# Altium PCB 打样.PcbDoc
Units mil, origin at the board's own origin, x right, y up, seen from the top; angles counter-clockwise.
Board outline 1855.3 x 2800.16 mil, 2 copper layers (Top Layer, Bottom Layer); 79 components, 87 nets, 347 pads, 166 vias.
Unrouted connection lines stored in the file: 5.
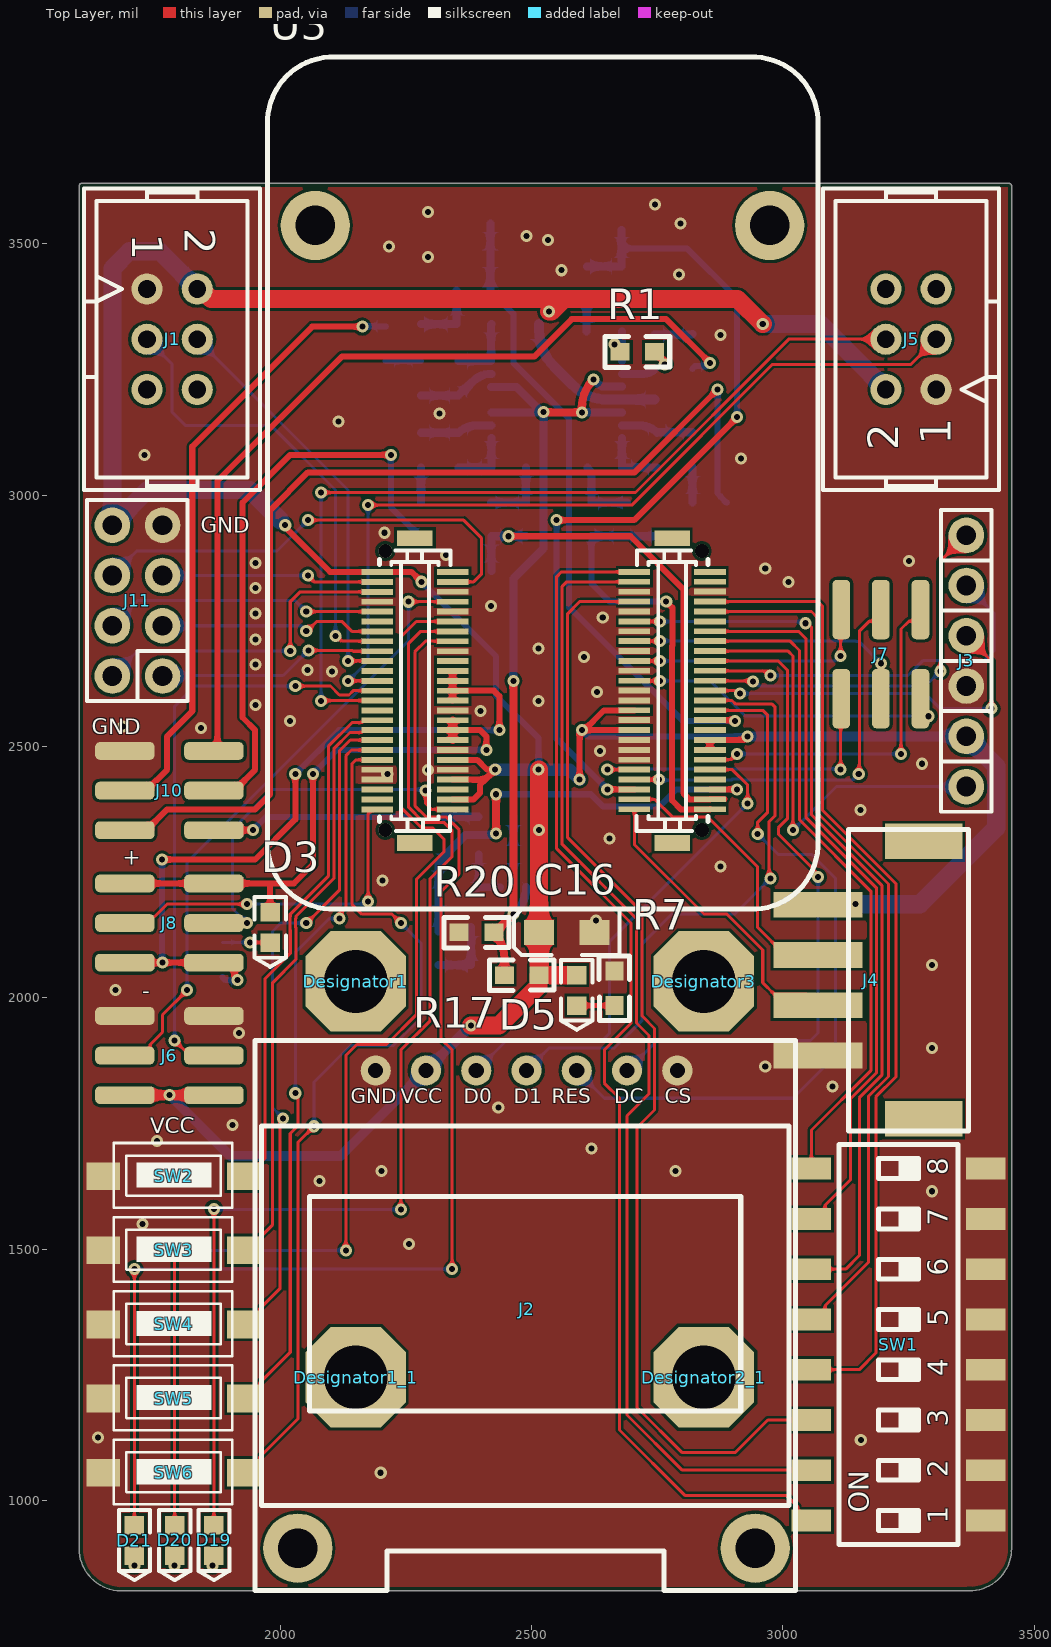
[diagram p0: Top Layer view]
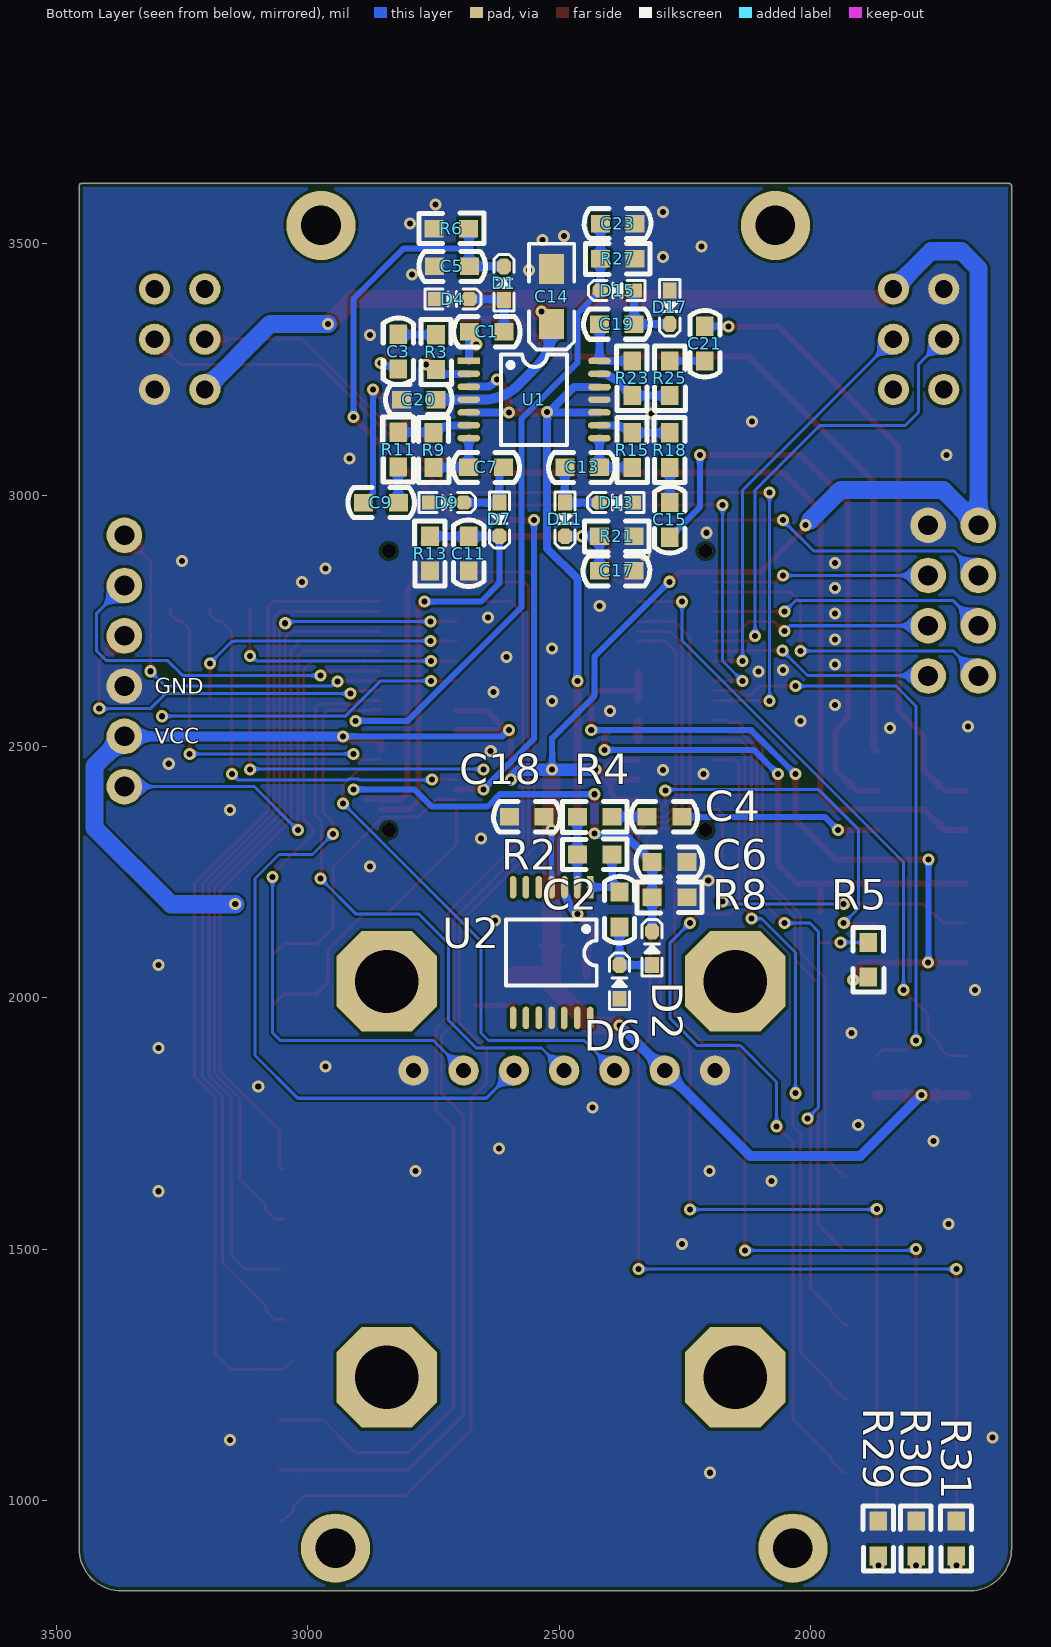
[diagram p1: Bottom Layer view, seen from below]
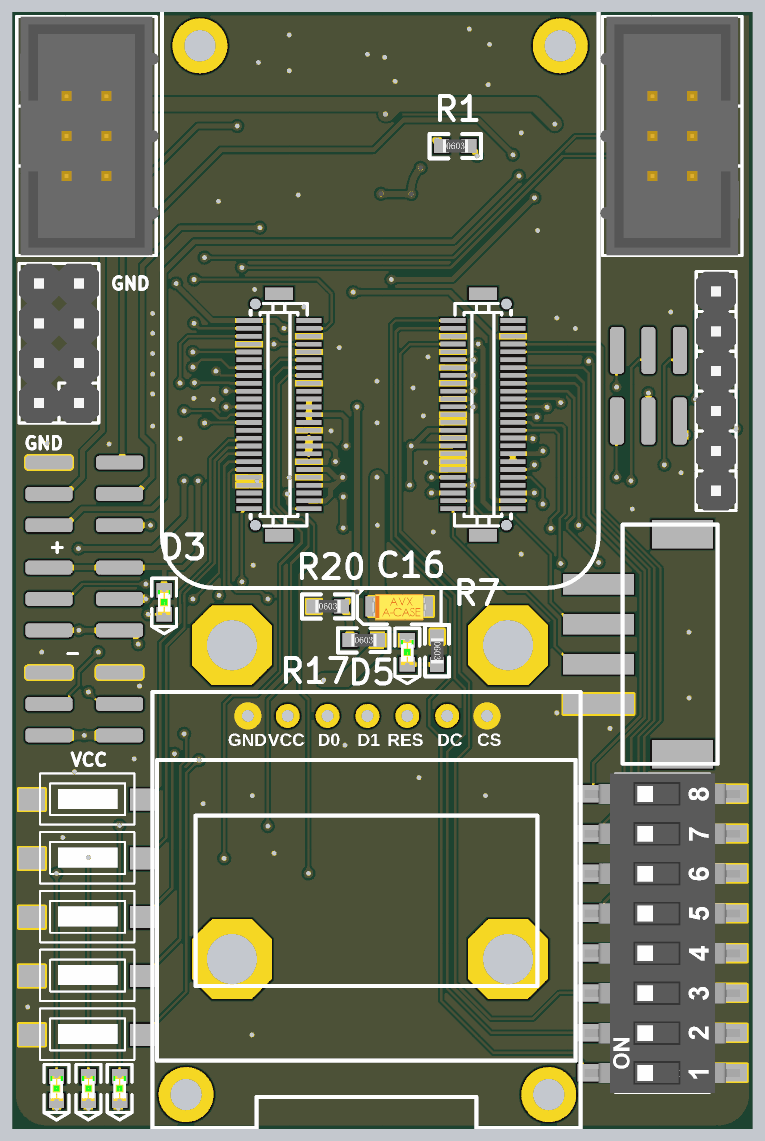
[diagram p2: 3D render of the assembled board from above, using the file's embedded part models]
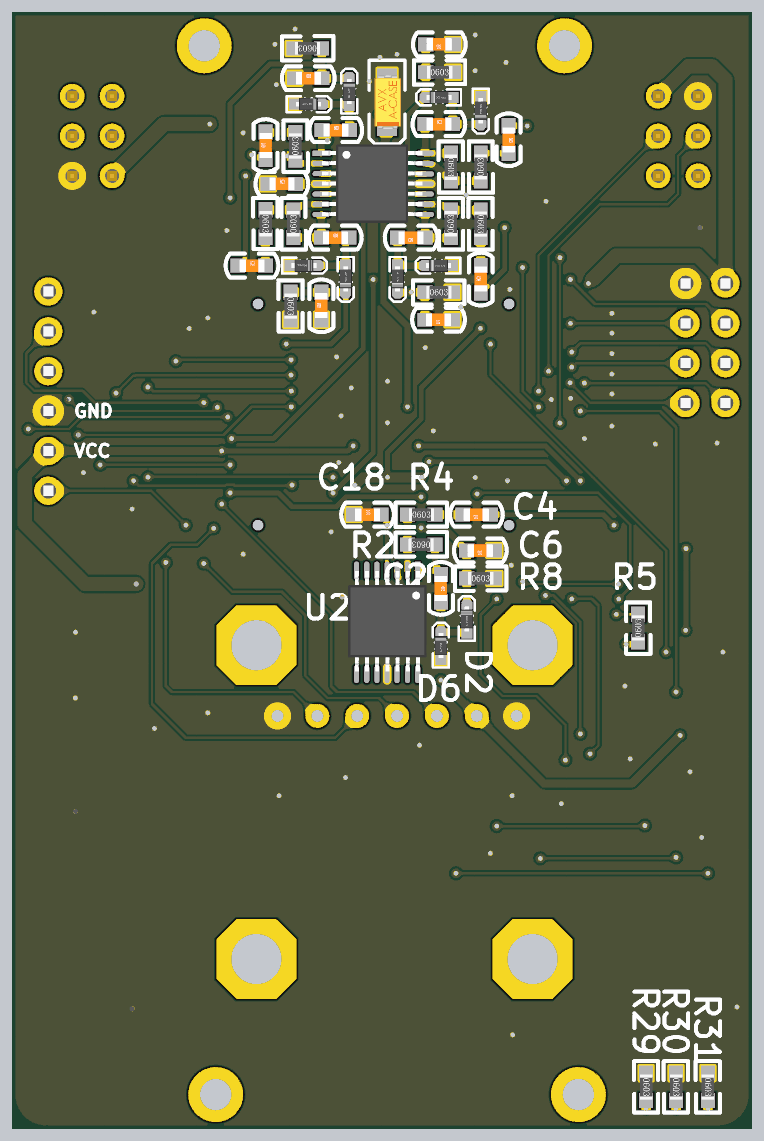
[diagram p3: 3D render of the assembled board from below, using the file's embedded part models]

## Layer stack, top to bottom
Top Solder: solder mask 0.4, Solder Resist, Dk 3.5
Top Layer: signal copper 1.4
Dielectric 1: dielectric 12.6, FR-4, Dk 4.8
Bottom Layer: signal copper 1.4
Bottom Solder: solder mask 0.4, Solder Resist, Dk 3.5

## Board outline
1599.85,904.61 cw(c1604.87,904.61) 1599.98,905.75 1599.98,3615 cw(c1605,3615) 1605,3620.01 3450,3620.02 cw(c3450,3615) 3455.01,3615 3455.01,909.36 cw(c3370.39,904.61) 3455.15,904.61 cw(c3370.39,904.61) 3370.39,819.85 cw(c3370.39,824.87) 3367.96,820.48 cw(c3365.79,825) 3365.79,819.98 1735,819.98 cw(c1735,825) 1734.97,819.99 1689.36,819.99 cw(c1684.61,904.61)
board region "Layer Stack Region 1": 1599.87,905.04 1599.98,905.75 1599.98,3615 1599.98,3616 1600.75,3617.84 1602.16,3619.25 1604,3620.02 1605,3620.02 3450,3620.02 3451,3620.02 3452.84,3619.25 3454.25,3617.84 3455.02,3616 3455.02,3615 3455.02,909.36 3455.05,908.77 3455.1,907.58 3455.13,906.39 3455.15,905.2 3455.15,904.61 3455.15,896.26 3451.89,879.88 3445.5,864.46 3436.23,850.58 3424.42,838.77 3410.54,829.5 3395.12,823.11 3378.74,819.85 3370.08,819.85 3369.45,819.93 3368.83,820.09 3368.24,820.33 3367.71,820.36 3367.18,820.17 3366.63,820.05 3365.79,819.98 1734.97,819.98 1689.36,819.98 1680.72,819.5 1663.62,822.04 1647.37,827.98 1632.66,837.08 1620.1,848.96 1610.19,863.13 1603.34,879.02 1599.85,895.96
board region "Cavity : U3": 2819.17,2859.03 2740.43,2859.03 2740.43,2362.97 2819.17,2362.97
board region "Cavity : U3": 2228.61,2362.97 2307.35,2362.97 2307.35,2859.03 2228.61,2859.03

## Design rules (kind name [scope] priority, off if disabled: settings)
BoardOutlineClearance [All] p1: gap=7.87 ignorepadtopadclearanceinfootprint=FALSE
Clearance [All] p1: gap=5 ignorepadtopadclearanceinfootprint=TRUE except(0: Arc-Text Arc-Hole Track-Text Track-Hole SMDPad-Hole THPad-Hole Via-Hole Fill-Text Fill-Hole Poly-Text Poly-Hole Region-Text Region-Hole Text-Text; 3.5: SMDPad-Text THPad-Text Via-Text Text-Hole; 5.91: Via-Fill Via-Poly Via-Region; 5.98: Arc-Via Track-Via SMDPad-Fill SMDPad-Poly SMDPad-Region THPad-Fill THPad-Poly THPad-Region; 6: Arc-SMDPad Arc-THPad Track-SMDPad Track-THPad; 10: SMDPad-SMDPad SMDPad-THPad SMDPad-Via THPad-THPad THPad-Via Via-Via)
ComponentClearance [All] p1: gap=10 collisioncheckmode=3 verticalgap=10 showdistances=TRUE
DiffPairsRouting [All] p1: maxlimit=10 minlimit=6 mostfreqgap=10 toplayer_minwidth=5.98 toplayer_maxwidth=15 toplayer_prefwidth=15 bottomlayer_minwidth=5.98 bottomlayer_maxwidth=15 bottomlayer_prefwidth=15 maxuncoupledlength=500
HoleSize [All] p1: absolutevalues=TRUE maxlimit=23.62 minlimit=11.81 maxpercent=80.000 minpercent=20.000
MinimumSolderMaskSliver [All] p1: minsoldermaskwidth=1.97
PlaneConnect [All] p1: planeconnectstyle=Direct reliefexpansion=20 reliefentries=4 reliefconductorwidth=10 reliefairgap=10
PolygonConnect [All] p1: connectstyle=Direct reliefconductorwidth=10 reliefentries=4 polygonreliefangle="90 Angle" airgapwidth=10
RoutingVias [All] p1: holewidth=15.75 width=27.56 viastyle="Through Hole" minholewidth=11.81 minwidth=23.62 maxholewidth=248.03 maxwidth=275.59
SilkToSilkClearance [All] p1: silktosilkclearance=5
SilkToSolderMaskClearance [IsPad] p1: minsilkscreentomaskgap=3.5 clearancetoexposedcopper=FALSE
SolderMaskExpansion [All] p1: expansion=4 istentingtop=FALSE
UnRoutedNet [All] p1: checkbadconnections=TRUE
Width [All] p1: maxlimit=80 minlimit=5 preferedwidth=10
22 further rules are at their usual default settings.

## Classes and differential pairs
component class 原理图: C1 C2 C3 C4 C5 C6 C7 C9 C11 C13 C14 C15 C16 C17 C18 C19 C20 C21 C23 D1 D2 D3 D4 D5 D6 D7 D9 D11 D13 D15 D17 D19 D20 D21 J1 J2 J3 J4 J5 J6 J7 J8 J10 J11 R1 R2 R3 R4 R5 R6 R7 R8 R9 R11 R13 R15 R17 R18 R20 R21 R23 R25 R27 R29 R30 R31 SW1 SW2 SW3 SW4 SW5 SW6 U1 U2 U3

## Components (designator, comment, footprint, x,y, rotation, side; value= is the part's Value field where it differs from the comment)
C1 "104" C0603 2678.75,3325 r180 bottom value=22pF
C2 "104" C0603 2380,2210 r270 bottom value=22pF
C3 "104" C0603 2820,3251 r90 bottom value=22pF
C4 "104" C0603 2256,2360 r0 bottom value=22pF
C5 "104" C0603 2747.75,3455 r180 bottom value=22pF
C6 "104" C0603 2246,2270 r0 bottom value=22pF
C7 "104" C0603 2680,3055 r180 bottom value=22pF
C9 "104" C0603 2889,2985 r180 bottom value=22pF
C11 "104" C0603 2680,2849.07 r90 bottom value=22pF
C13 "104" C0603 2419.69,3055 r0 bottom value=22pF
C14 "106" 3216-ce 2515,3340 r270 bottom value=100pF
C15 "104" C0603 2280,2916 r90 bottom value=22pF
C16 "106" 3216-ce 2515,2130 r180 top value=100pF
C17 "104" C0603 2351,2849.07 r0 bottom value=22pF
C18 "104" C0603 2599,2360 r180 bottom value=22pF
C19 "104" C0603 2420,3340 r180 bottom value=22pF
C20 "104" C0603 2814,3190 r180 bottom value=22pF
C21 "104" C0603 2210,3335.77 r270 bottom value=22pF
C23 "104" C0603 2348.93,3540 r0 bottom value=22pF
D1 "肖特基" SOD-523 2610,3421.54 r90 bottom
D2 "肖特基" SOD-523 2315,2098.46 r90 bottom
D3 "LED" "LED 0603G" 1980,2140 r90 top
D4 "肖特基" SOD-523 2712.21,3390 r180 bottom
D5 "LED" "LED 0603G" 2590,2014.69 r90 top
D6 "肖特基" SOD-523 2380,2031.54 r90 bottom
D7 "肖特基" SOD-523 2619,2951.54 r270 bottom
D9 "肖特基" SOD-523 2723.46,2985 r180 bottom
D11 "肖特基" SOD-523 2488.69,2951.54 r270 bottom
D13 "肖特基" SOD-523 2386.22,2985 r0 bottom
D15 "肖特基" SOD-523 2384.46,3406.93 r0 bottom
D17 "肖特基" SOD-523 2280,3373.46 r270 bottom
D19 "LED" "LED 0603G" 1868.17,920.32 r90 top
D20 "LED" "LED 0603G" 1790,920.32 r90 top
D21 "LED" "LED 0603G" 1710,920 r90 top
Designator1 "Comment" 定位孔 2150,2032.4 r0 top locked
Designator1_1 "Comment" 定位孔 2150,1245 r0 top locked
Designator2_1 "Comment" 定位孔 2842.91,1245 r0 top locked
Designator3 "Comment" 定位孔 2842.91,2032.4 r0 top
J1 "PIN-6" 2.54简易牛角座6P 1735,3410 r270 top
J2 "0.96OLED" "OLED 0.96" 2190,1855 r0 top locked
J3 "SIP-6" 2.54排针1X6 3365,2720 r90 top
J4 "SIP-4" XH2.54-4AB 3175,2035 r270 top
J5 "PIN-6" 2.54简易牛角座6P 3305,3210 r90 top
J6 "PIN-6" P6smd 1927.22,1806.26 r180 top
J7 "PIN-6" P6smd 3116.26,2535.94 r90 top
J8 "PIN-6" P6smd 1631.94,2227.33 r0 top
J10 "PIN-6" P6smd 1927.22,2333.44 r180 top
J11 "PIN-8" 2.54排针2X4 1766,2640 r90 top
R1 "500K" R0603 2676,3285 r0 top value=150R
R2 "500K" R0603 2394.82,2285 r0 bottom value=150R
R3 "51K" R0603 2745,3250 r90 bottom value=150R
R4 "51K" R0603 2463.82,2360 r180 bottom value=150R
R5 "511" R0603 1885,2041 r90 bottom value=150R
R6 "10K" R0603 2680,3530 r0 bottom value=150R
R7 "511" R0603 2665,2053.37 r270 top value=150R
R8 "10K" R0603 2315,2200 r180 bottom value=150R
R9 "500K" R0603 2750,3055 r90 bottom value=150R
R11 "51K" R0603 2820,3125 r270 bottom value=150R
R13 "10K" R0603 2756.93,2918.07 r270 bottom value=150R
R15 "500K" R0603 2355,3055 r90 bottom value=150R
R17 "1002" R0603 2446,2045 r0 top value=150R
R18 "51K" R0603 2280,3124 r270 bottom value=150R
R20 "1002" R0603 2356,2130 r0 top value=150R
R21 "10K" R0603 2420,2918.07 r180 bottom value=150R
R23 "500K" R0603 2355,3266.77 r270 bottom value=150R
R25 "51K" R0603 2280,3197.77 r90 bottom value=150R
R27 "10K" R0603 2417.93,3470 r180 bottom value=150R
R29 "511" R0603 1865,958.68 r270 bottom value=150R
R30 "511" R0603 1790,958.68 r270 bottom value=150R
R31 "511" R0603 1710,958.68 r270 bottom value=150R
SW1 "HAD-08HWA-R" 拨码MCEMR-08-T 3230,1310 r90 top
SW2 "SW" SWT6*3 1928,1645 r180 top
SW3 "SW" SWT6*3 1928,1497.5 r180 top
SW4 "SW" SWT6*3 1928,1350 r180 top
SW5 "SW" SWT6*3 1928,1202.5 r180 top
SW6 "SW" SWT6*3 1928,1055 r180 top
U1 "OPA4377" TSSOP-14 2679.84,3266.77 r180 bottom
U2 "OPA4377" TSSOP-14 2438.23,2219.84 r270 bottom
U3 "主控&驱动" 核心 3273.85,2663.56 r0 top locked

## Footprints (in the part's own frame and the unit in brackets; to place one, negate y for a bottom-side part, rotate by r counter-clockwise, add the part's x,y. Pads: shape width x height; smd on the part's side, far side on the other; paste and mask are expansions set on the pad)
2.54排针1X6 [mm]
  round 1.8 hole 1: 1(-7.62,0) 2(-5.08,0) 3(-2.54,0) 4(0,0) 5(2.54,0) 6(5.08,0)
  silkscreen extent -8.89,-1.27 6.35,1.27, body extent -8.89,-1.27 6.35,1.27, height 2.5
2.54排针2X4 [mm]
  round 1.8 hole 1: 1(0,0) 2(0,2.54) 3(2.54,0) 4(2.54,2.54) 5(5.08,0) 6(5.08,2.54) 7(7.62,2.54) 8(7.62,0)
  silkscreen extent -1.27,-1.27 8.89,3.81, body extent -1.27,-1.27 8.89,3.81, height 2.5
2.54简易牛角座6P [mil]
  round 62 hole 35: 1(0,0) 2(0,100) 3(100,0) 4(100,100) 5(200,0) 6(200,100)
  silkscreen extent -200,-125 400,225, body extent -200,-117 400,231, height 359
3216-ce [mil]
  rect 60x50 smd: 1(0,0) 2(-110,0)
  silkscreen extent -160,-45 50,45, body extent -122,-31 12,35, height 67
C0603 [mil]
  rect 38x35 smd: 1(0,0) 2(69,0)
  silkscreen extent -31,-30 101,30, body extent 4,-16 67,16, height 12
"LED 0603G" [mm] "绿色0603LED"
  rect 0.93x0.98 smd: A(0.77,0) K(-0.77,0)
  silkscreen extent -2,-0.79 1.53,0.79, body extent -0.8,-0.4 0.8,0.4, height 0.61
"OLED 0.96" [mil]
  round 137.8 hole 78.74: 0(-155,-950) 0(755,-950)
  round 0 on Bottom Overlay: 0(-155,-20) 0(755,-20)
  round 60 hole 30: 1(0,0) 2(100,0) 3(200,0) 4(300,0) 5(400,0) 6(500,0) 7(600,0)
  silkscreen extent -240,-1034 835,60, body extent -228,-1036 824,61, height 334
P6smd [mm]
  rrect50% 3x0.89 smd: 1(1.5,0) 2(6,0) 3(1.5,-2) 4(6,-2) 5(1.5,-4) 6(6,-4)
R0603 [mil] "1/10W"
  rect 38x35 smd: 1(0,0) 2(69,0)
  silkscreen extent -30,-31 99,30, body extent 4,-16 66,16, height 18
SOD-523 [mm] "1.2x0.8X0.6mm（长宽高，不包括引脚）"
  rect 0.8x0.7 smd: 1(-0.85,0)
  oct 0.8x0.7 smd: 2(0.85,0)
  silkscreen extent -1.4,-0.51 1.45,0.51, body extent -0.8,-0.4 0.8,0.4, height 0.65
SWT6*3 [mm]
  rect 1.7x1.4 smd: 1(0,0) 2(7.112,0)
  silkscreen extent 0.58,-1.68 6.58,1.6
TSSOP-14 [mm] "4.96x4.40x1.00 e=0.65（蒜米工坊）"
  rect 1.143x0.33 smd: 1(0,0)
  oval 1.143x0.33 smd: 2(0,-0.65) 3(0,-1.3) 4(0,-1.95) 5(0,-2.6) 6(0,-3.25) 7(0,-3.9) 8(6.6,-3.9) 9(6.6,-3.25) 10(6.6,-2.6) 11(6.6,-1.95) 12(6.608,-1.321) 13(6.6,-0.65) 14(6.608,0)
  silkscreen extent 1.63,-4.25 4.96,0.33, body extent 0.03,-4.43 6.43,0.57, height 1.03
XH2.54-4AB [mm]
  rect 1.3x4.5 smd: 1(-3.811,-2.675) 2(-1.271,-2.675) 3(1.269,-2.675) 4(3.809,-2.675)
  rect 1.801x3.901 smd: 5(-7.011,2.675) 6(7.011,2.675)
  silkscreen extent -7.62,-1.13 7.62,4.93
定位孔 [mm]
  oct 5.08x5.08 hole 3.2: 0(0,0)
拨码MCEMR-08-T [mm] "DIP SWITCH"
  rect 1.1x2 smd: 1(-8.89,-4.4) 2(-8.89,4.4) 3(-6.35,-4.4) 4(-6.35,4.4) 5(-3.81,-4.4) 6(-3.81,4.4) 7(-1.27,-4.4) 8(-1.27,4.4) 9(1.27,-4.4) 10(1.27,4.4) 11(3.81,-4.4) 12(3.81,4.4) 13(6.35,-4.4) 14(6.35,4.4) 15(8.89,-4.4) 16(8.89,4.4)
  silkscreen extent -10.11,-3 10.11,3, body extent -10.18,-4.95 10.18,4.95, height 4.24
核心 [mm]
  round 3.5 hole 2: 0(-30.583,22.17) 0(-7.621,22.17)
  rect 1.598x0.297 smd: 1(-27.459,4.659) 2(-27.459,4.159) 3(-27.459,3.656) 4(-27.459,3.156) 5(-27.459,2.658) 6(-27.459,2.157) 7(-27.459,1.657) 8(-27.459,1.159) 9(-27.459,0.654) 10(-27.459,0.158) 11(-27.459,-0.339) 12(-27.459,-0.845) 13(-27.459,-1.34) 14(-27.459,-1.835) 15(-27.459,-2.336) 16(-27.459,-2.831) 17(-27.459,-3.334) 18(-27.459,-3.834) 19(-27.459,-4.337) 20(-27.459,-4.833) 21(-27.459,-5.333) 22(-27.459,-5.836) 23(-27.459,-6.331) 24(-27.459,-6.832) 25(-27.459,-7.335) 26(-23.639,-7.335) 27(-23.639,-6.832) 28(-23.639,-6.331) 29(-23.639,-5.836) 30(-23.639,-5.333) 31(-23.639,-4.833) 32(-23.639,-4.337) 33(-23.639,-3.834) 34(-23.639,-3.334) 35(-23.639,-2.831) 36(-23.639,-2.336) 37(-23.639,-1.835) 38(-23.639,-1.34) 39(-23.639,-0.845) 40(-23.639,-0.339) 41(-23.639,0.158) 42(-23.639,0.654) 43(-23.639,1.159) 44(-23.639,1.657) 45(-23.639,2.157) 46(-23.639,2.658) 47(-23.639,3.156) 48(-23.639,3.661) 49(-23.639,4.159) 50(-23.639,4.659) 51(-14.459,4.664) 52(-14.459,4.164) 53(-14.459,3.661) 54(-14.459,3.161) 55(-14.459,2.663) 56(-14.459,2.163) 57(-14.459,1.662) 58(-14.459,1.164) 59(-14.459,0.659) 60(-14.459,0.164) 61(-14.459,-0.334) 62(-14.459,-0.84) 63(-14.459,-1.335) 64(-14.459,-1.83) 65(-14.459,-2.331) 66(-14.459,-2.826) 67(-14.459,-3.329) 68(-14.459,-3.829) 69(-14.459,-4.332) 70(-14.459,-4.828) 71(-14.459,-5.328) 72(-14.459,-5.831) 73(-14.459,-6.326) 74(-14.459,-6.827) 75(-14.459,-7.329) 76(-10.639,-7.329) 77(-10.639,-6.827) 78(-10.639,-6.326) 79(-10.639,-5.831) 80(-10.639,-5.328) 81(-10.639,-4.828) 82(-10.639,-4.332) 83(-10.639,-3.829) 84(-10.639,-3.329) 85(-10.639,-2.826) 86(-10.639,-2.331) 87(-10.639,-1.83) 88(-10.639,-1.335) 89(-10.639,-0.84) 90(-10.639,-0.334) 91(-10.639,0.164) 92(-10.639,0.659) 93(-10.639,1.164) 94(-10.639,1.662) 95(-10.639,2.163) 96(-10.639,2.663) 97(-10.639,3.161) 98(-10.639,3.666) 99(-10.639,4.164) 100(-10.639,4.664)
  round 0.7 hole 0.7 unplated: ""(-27.049,-8.385) ""(-27.049,5.715) ""(-11.049,-8.385) ""(-11.049,5.715)
  rect 1.796x0.798 smd: ""(-25.547,-9.031) ""(-25.547,6.361) ""(-12.551,-9.031) ""(-12.551,6.361)
  silkscreen extent -33,-12.37 -5.18,30.68

## Part data
C1 C2 C3 C4 C5 C6 C7 C9 C11 C13 C15 C17 C18 C19 C20 C21 C23: library part 电容, "Capacitor", LatestRevisionDate=17-Jul-2002, LatestRevisionNote="Re-released for DXP Platform.", PackageDescription="Radial Cap, Thru-Hole; 2 Leads; 0.3 in Pin Spacing", PackageReference=RAD-0.3, Published=8-Jun-2000, Publisher="Altium Limited"
C14 C16: library part 电解电容, "Polarized Capacitor (Axial)", LatestRevisionDate=17-Jul-2002, LatestRevisionNote="Re-released for DXP Platform.", PackageDescription="Polarized Capacitor; 2 Leads", PackageReference=POLAR0.8, Published=8-Jun-2000, Publisher="Altium Limited"
D1 D2 D4 D6 D7 D9 D11 D13 D15 D17: "Schottky Diode"
J2: library part OLED_SPI
R1 R2 R3 R4 R5 R6 R7 R8 R9 R11 R13 R15 R17 R18 R20 R21 R23 R25 R27 R29 R30 R31: library part 电阻, "Resistor", LatestRevisionDate=17-Jul-2002, LatestRevisionNote="Re-released for DXP Platform.", PackageDescription="Axial Device, Thru-Hole; 2 Leads; 0.3 in Pin Spacing", PackageReference=AXIAL-0.3, Published=8-Jun-2000, Publisher="Altium Limited"
SW1: library part 8位拨码, BOM_Manufacturer=ReliaPro, BOM_Manufacturer Part=HAD-08HWA-R, BOM_Supplier=LCSC, BOM_Supplier Part=C4682, image=//image.lceda.cn/szlcsc/C4682.jpg, spicePre=D, spiceSymbolName=HAD-08HWA-R
SW2 SW3 SW4 SW5 SW6: library part Switch, "Single-Pole, Single-Throw Switch"
U1 U2: library part 4运放
U3: library part 核心

## Via types
v1: diameter 24, hole 12, Top Layer to Bottom Layer, tented both sides, 166 vias

## Nets (pads, with @x,y where several pads share a name; then routed paths per layer and width w, separated by ;. In a path a pad name is that pad's centre, name@x,y a point inside that pad or via, vN(x,y) a via of type N, cw(c..) or ccw(c..) an arc to the next point about the centre after c; other vN are vias at no path point)
A1: J8.3 U3.25 | length 697.3
  Top Layer w6: J8.3 1735.65,2148.59 1748.46,2161.4 1750.36,2161.4 1775,2186.03 v1(1933.91,2186.03) ; v1(2175,2191.77) 2175,2365.5 2184.3,2374.8 U3.25
  Bottom Layer w6: v1(1933.91,2186.03) 2169.27,2186.03 v1(2175,2191.77)
A7: J7.5 U3.62 | length 614.6
  Top Layer w6: U3.62 v1(2755.2,2630.5)
  Bottom Layer w6: v1(2755.2,2630.5) 2855.09,2630.5 2925.59,2560 v1(3290,2560)
ADC1: C5.2 D1.2 R6.1 U3.73 | length 1726.8
  Top Layer w12: v1(2550,2950) 2704.01,2950 v1(2909.01,3155) ; v1(2650.69,2414.5) U3.73
  Bottom Layer w6: R6.1@2678.75,3526.98 cw(c2683.02,3526.98) R6.1
  Bottom Layer w12: v1(2550,2950) 2550,2515.19 v1(2650.69,2414.5) ; 2678.75,3490.99 2809.01,3490.99 2909.01,3390.99 v1(2909.01,3155)
  Bottom Layer w16: D1.2 C5.2 2678.75,3490.99 R6.1@2678.75,3526.98
ADC2: C11.2 D7.2 R13.1 U3.76 | length 898.3
  Top Layer w12: v1(2767.95,2788) 2779.98,2775.97 2779.98,2700.27 2779.7,2699.98 2779.7,2392.37 2797.27,2374.8 2854.8,2374.8 U3.76
  Bottom Layer w12: D7.2 2619,2824.46 2655.46,2788 v1(2767.95,2788) ; R13.1 2756.93,2916.57 2768.43,2905.07 R13.1@2769.93,2905.07
  Bottom Layer w16: D7.2 C11.2 R13.1
ADC3: C17.2 D11.2 R21.1 U3.77 | length 1022.1
  Top Layer w12: v1(2454.34,2918.07) 2696.84,2918.07 2801.87,2813.04 2801.87,2406.97 2814.04,2394.8 U3.77 2855.15,2394.95 2883.96,2394.95 U3.77@2884.01,2395
  Bottom Layer w16: C17.2 R21.1 v1(2454.34,2918.07) D11.2
ADC4: C23.2 D15.2 R27.1 U3.85 | length 1302.9
  Top Layer w12: U3.85@2854.85,2552.45 U3.85 2903.61,2552.3 v1(2905.1,2550.82)
  Bottom Layer w12: D15.2 2463.82,3361.04 2463.82,3262.95 2575,3151.77 2575,2776.78 2800.97,2550.82 v1(2905.1,2550.82)
  Bottom Layer w16: D15.2 R27.1 C23.2
ADC5: C6.2 D2.2 R8.1 U3.78 | length 912.9
  Top Layer w12: U3.78 v1(2909.01,2414.5)
  Top Layer w16: v1(2429.32,2326.89) 2429.47,2327.04 v1(2429.47,2404.8)
  Bottom Layer w12: v1(2429.47,2404.8) 2617.83,2404.8 2642.63,2380 2753.86,2380 2788.36,2414.5 v1(2909.01,2414.5)
  Bottom Layer w16: D2.2 R8.1 C6.2 2316.5,2270 2326,2279.5 2326,2281 2368.79,2323.79 2420.93,2323.79 2422.5,2325.36 2427.79,2325.36 v1(2429.32,2326.89)
ADC6: U3.79
AIN1: C3.1 J10.5 | length 1729.3
  Top Layer w12: J10.5 1875,2497.76 1875,3027.99 2122.51,3275.5 2505.5,3275.5 2580,3350 2767.95,3350 v1(2855,3262.95)
  Bottom Layer w12: C3.1 2825.42,3256.42 2848.47,3256.42 v1(2855,3262.95)
AIN2: C9.1 J10.2 | length 2106.9
  Top Layer w12: J10.2 1733.64,2333.44 1775,2374.8 1950,2374.8 1980,2404.8 1980,2970 2055,3045 2705,3045 v1(2870,3210)
  Bottom Layer w12: v1(2870,3210) 2870,3004 2876,2998 2876,2996.5 2887.5,2985 C9.1
AIN3: C15.1 J10.3 | length 1164.8
  Top Layer w12: J10.3 1908.58,2412.18 1950,2453.6 1950,2532.5 1925,2557.5 1925,2985 2020,3080 v1(2220,3080)
  Bottom Layer w12: v1(2220,3080) 2220,2976 2267,2929 2268.5,2929 2280,2917.5 C15.1
AIN4: C21.1 J10.4 | length 1248.9
  Top Layer w12: J10.4 1733.58,2412.18 1775,2453.6 1775,2520 1825,2570 1825,3096.53 2063.47,3335 v1(2163.44,3335)
  Bottom Layer w12: v1(2163.44,3335) 2164.21,3335.77 C21.1
AIN5: C4.1 J10.1 | length 398.8
  Top Layer w12: J10.1 v1(1945.49,2333.44)
  Bottom Layer w12: v1(1945.49,2333.44) 1972.05,2360 C4.1
B3: J7.2 U3.60 | length 507.2
  Top Layer w6: U3.60 v1(2755.2,2670) ; v1(3115,2680) 3115,2770.91 J7.2
  Bottom Layer w6: v1(2755.2,2670) 3102.49,2670 3112.49,2680 v1(3115,2680)
B6: J7.6 U3.81 | length 693.2
  Top Layer w6: U3.81 2896.37,2473.5 2904.13,2481.26 2905.28,2481.26 v1(2909.01,2485) ; v1(3235,2485) 3235,2733.43 3250.74,2749.16 3259.66,2749.16 3273.74,2763.24 J7.6
  Bottom Layer w6: v1(2909.01,2485) v1(3235,2485)
B7: J7.4 U3.72 | length 804.9
  Top Layer w6: U3.72 2746.5,2434 2746.65,2434.15 v1(2753.37,2434.15) ; v1(3151,2445) 3152,2446 3152,2729.17 3172,2749.16 3180.92,2749.16 3195,2763.24 J7.4
  Bottom Layer w6: v1(2753.37,2434.15) 2754.7,2432.82 2897.65,2432.82 2900.32,2435.48 2917.71,2435.48 2920.37,2432.82 3138.82,2432.82 v1(3151,2445)
B18: J8.4 U3.26 | length 767.7
  Top Layer w6: J8.4 1869.37,2147.39 1932.71,2147.39 v1(1933.91,2148.59) ; v1(2288.92,2412.18) 2288.92,2386.79 2300.9,2374.8 U3.26
  Bottom Layer w6: v1(1933.91,2148.59) 1905,2177.5 1905,2335 1984.5,2414.5 v1@2290,2414.5
B20: J7.1 U3.71 | length 661.1
  Top Layer w6: v1(2650.69,2453.8) U3.71 ; v1(3115,2453.8) 3115,2593.74 J7.1
  Bottom Layer w6: v1(2650.69,2453.8) 2652.02,2455.13 3113.67,2455.13 v1(3115,2453.8)
B25: J7.3 U3.58 | length 579.3
  Top Layer w6: U3.58 2755.2,2709.4 v1(2755.8,2710) ; J7.3 v1(3195,2665)
  Bottom Layer w6: v1(2755.8,2710) 3144.44,2710 3145.44,2709 3151,2709 v1(3195,2665)
BAT+: D3.A J8.1 J8.2 U3.33 U3.34 U3.35 | length 1130
  Top Layer w12: J8.1 J8.2 1979.68,2227.33 ; D3.A 1980,2227.02 1979.68,2227.33 ; v1(2065,2445) 2065,2265 2027.33,2227.33 1979.68,2227.33 ; U3.34 2397.7,2532.3 2410,2520 v1(2410,2493)
  Top Layer w15: U3.33 U3.34 U3.35
  Bottom Layer w12: v1(2065,2445) 2113,2493 v1(2410,2493)
BAT-: J8.5 J8.6 R5.1 U3.37 U3.38 U3.39 U3.40 | length 1540.9
  Top Layer w12: J8.5 v1(1766,2069.85) J8.6 1897.33,2069.85 1908.64,2058.54 1908.64,2041.36 v1(1915,2035) ; v1(1765,2275) 1950,2275 2030,2355 v1(2030,2445) ; U3.37 U3.38 ; U3.40 U3.39 U3.38 ; v1(2436.18,2532.5) 2436.18,2599.82 2425.2,2610.8 U3.38
  Bottom Layer w12: v1(1765,2275) 1765,2070.85 v1(1766,2069.85) ; R5.1 1891,2035 v1(1915,2035) ; v1(2030,2445) 2117.5,2532.5 v1(2436.18,2532.5)
CE: J11.6 U3.49 | length 929.8
  Top Layer w6: v1(2055,2950) 2365,2950 2400,2915 2400,2842.3 2385,2827.3 U3.49
  Bottom Layer w6: J11.6 1714.56,2888.56 1993.56,2888.56 v1(2055,2950)
CSN: J11.5 U3.2 | length 432
  Top Layer w6: v1(2055,2840) 2067.7,2827.3 U3.2
  Bottom Layer w6: J11.5 v1(2055,2840)
D0: J2.3 U3.80 | length 991.1
  Top Layer w6: U3.80 2899.39,2453.8 2930,2423.19 v1(2930,2386.79)
  Bottom Layer w6: J2.3 2450,1915 2640.46,1915 2655.46,1930 2655.46,2112.24 v1(2930,2386.79)
D1: J2.4 U3.87 | length 1214.9
  Top Layer w6: U3.87 2898.82,2591.5 2906.31,2584.02 2978.68,2584.02 2984.79,2577.91 2984.79,2362.54 2972.5,2350.24 2972.5,2239.82 v1(2975,2237.31)
  Bottom Layer w6: J2.4 2535,1900 2665,1900 2720,1955 2720,2107.54 2778.66,2166.2 2903.89,2166.2 v1(2975,2237.31)
DC: J2.6 U3.91 | length 1334.7
  Top Layer w6: U3.91 2990.9,2670 3009,2651.9 3009,2356.05 2990.9,2337.95 2990.9,2325.69 3064.45,2252.14 3064.45,2250.43 3070,2244.87 v1(3070,2240)
  Bottom Layer w6: J2.6 2750,1915 3055,1915 3070,1930 v1(3070,2240)
DIR1: J1.4 U3.10 | length 822.1
  Top Layer w6: v1(2135,2670) 2192.58,2670 U3.10
  Bottom Layer w6: J1.4 2135,3010 v1(2135,2670)
DIR2: J5.4 U3.14 | length 1777.8
  Top Layer w6: v1(2081.3,2590) 2081.3,2591.3 U3.14 ; v1(2081.3,3005) 2706.63,3005 3011.63,3310 J5.4
  Bottom Layer w6: v1(2081.3,2590) v1(2081.3,3005)
GND: C5.1 C6.1 C11.1 C14.2 C16.2 C17.1 C18.1 C20.1 C23.1 D4.1 D6.1 D9.1 D13.1 D17.1 J1.1 J2.1 J2.7 J3.3 J4.4 J5.1 J6.5 J6.6 J10.6 J11.8 R6.2 R7.1 R8.2 R13.2 R20.1 R21.2 R27.2 R29.1 R30.1 R31.1 SW1.1 SW1.3 SW1.5 SW1.7 SW1.9 SW1.11 SW1.13 SW1.15 SW2.2 SW3.2 SW4.2 SW5.2 SW6.2 U1.11 U2.11 U3.4 U3.21 U3.22 U3.24 U3.28 U3.30 U3.32 U3.36 U3.42 U3.46 U3.48 U3.53 U3.55 U3.57 U3.59 U3.61 U3.63 U3.64 U3.66 U3.68 U3.69 U3.70 U3.84 U3.98
  other v1: 2200,1055 3155,1120 1637.58,1125 2256,1510.41 1725.63,1550 3296.99,1615 2077.91,1635 2201.22,1655 2786.11,1655 2619.31,1700.29 1755.19,1715 1905,1747.09 2433.83,1781.48 3098.7,1823.57 2964.99,1862.94 3296.99,1900 1918.16,1930 1672.69,2015 3296.99,2065 2627.84,2153.65 2203.43,2233.01 2875.95,2260.71 2655.46,2316.57 3154.58,2373.88 2213.01,2445 2293.85,2453.34 3276.71,2465.47 2636.19,2490.92 1842.04,2536.79 1686.89,2539.49 2019.82,2550.76 2398.78,2570 1951.03,2582.21 2514,2590.63 2630.44,2607.88 2103.12,2648.76 2054.31,2651.9 1951.03,2663.01 2604.82,2677.91 2514,2694.74 1951.03,2712.55 2641.71,2756.04 1951.03,2764.17 2419.31,2779.03 1951.03,2815.12 3011.63,2827.09 2964.99,2853.78 1951.03,2865 3250.74,2868.41 2330.15,2881.02 2207.09,2925.06 2917.09,3073.01 1729.82,3080 2116.09,3146.15 2316.5,3161.88 2875.95,3318.13 2793.03,3438.91 2559.7,3447.3 2293.85,3473.81 2216.64,3494.57 2533.13,3507.58 2490,3515 2796.52,3540 2293.85,3563.48 2745.68,3578.18
IRQ: J11.1 U3.9 | length 448.6
  Top Layer w6: v1(2055.98,2690.98) 2143.69,2690.98 2145.38,2689.3 U3.9
  Bottom Layer w6: J11.1 1766.98,2640.98 2005.98,2640.98 v1(2055.98,2690.98)
KEY: J3.1 U3.92 | length 896.3
  Top Layer w6: U3.92 3010.5,2689.5 3020,2680 v1(3020,2333.44)
  Bottom Layer w6: v1(3020,2333.44) 3106.56,2420 J3.1
KEY0: SW2.1 U3.16 | length 1046.8
  Top Layer w6: SW2.1 1933.91,1645 1970,1681.09 1970,2038.37 2020,2088.37 2020,2135.16 2019.82,2135.34 2019.82,2161.84 2020,2162.02 2020,2166.17 ; 2020,2166.2 2095.7,2241.9 2095.7,2500.03 2142.82,2547.15 2162.23,2547.15 2167.18,2552.1 U3.16
KEY1: SW3.1 U3.17 | length 1176.9
  Top Layer w6: SW3.1 1933.91,1497.5 1985,1548.59 1985,2030 2031,2076 2031,2139.71 2030.82,2139.9 2030.82,2157.28 2031,2157.47 2031,2161.61 2106.7,2237.31 2106.7,2495.48 2138.67,2527.45 2162.33,2527.45 2167.18,2532.3 U3.17
KEY2: SW4.1 U3.18 | length 1355
  Top Layer w6: SW4.1 1933.91,1350 1958.46,1374.56 1958.46,1380.46 2000,1422 2000,1750 2005.98,1755.98 v1(2005.98,1760) ; v1(2051.8,2148.59) 2052.6,2148.59 2117.7,2213.69 2117.7,2490.92 2139.38,2512.6 U3.18
  Bottom Layer w6: v1(2005.98,1760) 1984.5,1781.48 1984.5,2131.93 2001.16,2148.59 v1(2051.8,2148.59)
KEY3: SW5.1 U3.19 | length 1449.2
  Top Layer w6: SW5.1 1933.91,1202.5 1958.46,1227.06 1958.46,1232.96 2020,1294.5 2020,1730 2035,1745 2035,1805 v1(2030,1810) ; v1(2117.7,2157.47) 2117.7,2166.4 2130.48,2179.18 2130.48,2481.26 2142.01,2492.8 U3.19
  Bottom Layer w6: v1(2030,1810) 2030,2090 2097.47,2157.47 v1(2117.7,2157.47)
KEY4: SW6.1 U3.20 | length 1755.3
  Top Layer w6: SW6.1 1933.91,1055 1958.46,1079.56 1958.46,1085.46 2035,1162 2035,1711.77 v1(2067.5,1744.27) ; U3.20 2150.7,2473.3 2142.4,2465 2142.4,2186.03 2162.26,2166.17 2222.42,2166.17 v1(2240,2148.59)
  Bottom Layer w6: v1(2067.5,1744.27) 2067.5,1832.5 2140,1905 2225.31,1905 2280,1959.69 2280,2108.59 v1(2240,2148.59)
LED0: D21.A U3.43 | length 2538.3
  Top Layer w6: D21.A v1(1710,1460) ; v1(2342.07,1460) 2342.07,1895.96 2319.44,1918.59 2319.44,2210.31 2356,2246.86 2356,2333.95 2330,2359.95 2290.05,2359.95 2267.93,2382.07 2267.93,2688.22 2288.92,2709.2 U3.43
  Bottom Layer w6: v1(1710,1460) v1(2342.07,1460)
LED1: D19.A U3.44 | length 2327
  Top Layer w6: D19.A v1(1868.17,1580) ; v1(2240,1578.65) 2240,1895.96 2298.25,1954.22 2298.25,2237.31 2342.07,2281.13 2342.07,2332.33 2325.44,2348.95 2285.49,2348.95 2282.22,2352.22 2255.63,2378.81 2255.63,2704.93 2279.5,2728.8 U3.44
  Bottom Layer w6: v1(1868.17,1580) 1869.51,1578.65 v1(2240,1578.65)
LED2: D20.A U3.45 | length 2390.9
  Top Layer w6: D20.A v1(1790,1500) ; v1(2130.48,1497.5) 2130.48,1885 2152.36,1906.88 2211.58,1906.88 2270.7,1966 2270.7,2235.07 2325.44,2289.81 2325.44,2315.59 2303.09,2337.95 2280.94,2337.95 2240,2378.89 2240,2717.8 2270.7,2748.5 U3.45
  Bottom Layer w6: v1(1790,1500) 1792.5,1497.5 v1(2130.48,1497.5)
LSB1: J1.3 U3.8 | length 933.3
  Top Layer w6: v1(2110,2720) 2111.71,2720 2122.51,2709.2 U3.8 U3.8@2191.98,2710
  Bottom Layer w6: J1.3 1785,3260 1785,3165 1811.18,3138.82 1981.18,3138.82 2110.01,3009.99 2110.01,2835.01 v1(2110,2720)
LSB2: J5.3 U3.12 | length 1691.3
  Top Layer w6: v1(2135,2630.3) U3.12 ; v1(2175,2980) 2699.55,2980 2979.55,3260 3255,3260 J5.3
  Bottom Layer w6: v1(2135,2630.3) 2135.3,2630 2175,2669.7 v1(2175,2980)
MISO: J11.2 U3.3 | length 653.5
  Top Layer w6: v1(2020,2690) 2020,2787.8 2039.7,2807.5 U3.3
  Bottom Layer w6: J11.2 1716,2690 v1(2020,2690)
MOSI: J11.3 U3.7 | length 446.9
  Top Layer w6: v1(2051.8,2730) 2054.31,2730 2073.01,2748.7 2122.5,2748.7 2142.4,2728.8 U3.7
  Bottom Layer w6: J11.3 2041.8,2740 v1(2051.8,2730)
NetC1_1: C1.1 R1.1 U1.1 | length 77.8
  Top Layer w16: v1(2665,3300) 2666.53,3298.47 2666.53,3294.47 R1.1
  Bottom Layer w16: U1.1 C1.1@2679.84,3325
NetC1_2: C1.2 D1.1 D4.2 | length 132.4
  Bottom Layer w16: C1.2 2609.75,3387.82 D1.1 cw(c2614.66,3383.41) 2614.66,3390 D4.2
NetC2_1: C2.1 R2.1 U2.1 | length 139.8
  Bottom Layer w15: C2.1 cw(c2403.76,2186.24) C2.1 ; R2.1 2394.82,2245.78 cw(c2344.22,2245.78) C2.1 ; U2.1 2403.76,2219.84 ccw(c2403.76,2186.24) C2.1
NetC2_2: C2.2 D2.1 D6.2 | length 141
  Bottom Layer w16: D2.1 D6.2 C2.2
NetC3_2: C3.2 R3.2 | length 75.3
  Bottom Layer w16: R3.2 2817.59,3319 ccw(c2817.59,3322.41) C3.2
NetC4_2: C4.2 R4.2 | length 69.8
  Bottom Layer w16: C4.2 R4.2
NetC7_1: C7.1 R9.1 U1.7 | length 128.3
  Bottom Layer w16: U1.7 2679.84,3055.16 C7.1 R9.1
NetC7_2: C7.2 D7.1 D9.2 | length 143.1
  Bottom Layer w16: C7.2 cw(c2591.69,3035.69) 2619,3035.69 D7.1 D9.2
NetC9_2: C9.2 R11.2 | length 71
  Bottom Layer w16: C9.2 R11.2
NetC13_1: C13.1 R15.1 U1.8 | length 123
  Bottom Layer w16: R15.1 C13.1 2420,3055.31 U1.8
NetC13_2: C13.2 D11.1 D13.2 | length 139
  Bottom Layer w16: D13.2 D11.1 C13.2
NetC15_2: C15.2 R18.2 | length 70
  Bottom Layer w16: C15.2 R18.2
NetC19_1: C19.1 R23.1 U1.14 | length 138
  Bottom Layer w16: R23.1 U1.14 2419.69,3339.69 C19.1
NetC19_2: C19.2 D15.1 D17.2 | length 137.9
  Bottom Layer w16: D17.2 C19.2 D15.1
NetC21_2: C21.2 R25.2 | length 70
  Bottom Layer w12: C21.2 R25.2
NetD3_K: D3.K R5.2 | length 95.1
  Top Layer w6: v1(1940,2110) 1979.68,2110 D3.K
  Bottom Layer w6: R5.2 v1(1940,2110)
NetD5_K: D5.K R7.2 | length 75
  Top Layer w10: D5.K R7.2
NetD19_K: D19.K R29.2
  other v1: 1865,870
NetD20_K: D20.K R30.2
  other v1: 1790,870
NetD21_K: D21.K R31.2
  other v1: 1710,870
NetR1_2: R1.2 R3.1 U1.2 | length 101.7
  Top Layer w16: R1.2 2746.5,3285 2756,3275.5 2756,3274 2763.47,3266.53 2763.47,3261.53 v1(2765,3260)
  Bottom Layer w16: U1.2 2723.71,3241.18 ccw(c2723.71,3271.29) R3.1
NetR2_2: R2.2 R4.1 U2.2 | length 140.2
  Bottom Layer w16: U2.2 R2.2 R4.1
NetR9_2: R9.2 R11.1 U1.6 | length 144.4
  Bottom Layer w16: U1.6 2714.22,3138.82 cw(c2714.22,3088.22) R9.2 cw(c2752.41,3121.59) 2752.41,3125 R11.1
NetR15_2: R15.2 R18.1 U1.9 | length 144
  Bottom Layer w16: R18.1 R15.2 cw(c2390.78,3088.22) 2390.78,3138.82 U1.9
NetR23_2: R23.2 R25.1 U1.13 | length 156.6
  Bottom Layer w16: R25.1 R23.2 2355,3199.27 2367.5,3211.77 2369,3211.77 2383.14,3225.91 cw(c2420,3189.06) U1.13
REF: R17.1 R20.2 U1.3 U1.5 U1.10 U1.12 U2.3 | length 1755.9
  Top Layer w16: R17.1 2446,2079.3 ccw(c2374.3,2079.3) R20.2 ccw(c2425,2136.32) 2429.47,2131.85 v1(2463.82,2166.2) v1(2463.82,2630.5) ; v1(2524.02,3165) ccw(c2525.44,3166.43) 2525.44,3164.41 v1(2600,3164.41) 2600,3173.37 cw(c2680.08,3173.37) 2604.82,3200.73 cw(c2680.08,3173.37) v1(2623.46,3230)
  Bottom Layer w16: U1.12 2470.23,3214.77 v1@2520,3165 ; U1.10 2509.41,3164.41 ; v1(2463.82,2166.2) 2469.57,2171.95 ccw(c2421.68,2219.84) U2.3 ; v1(2463.82,2630.5) 2463.82,2833.82 2524.02,2894.02 v1(2524.02,3165) v1@2520,3165 ; v1(2600,3164.41) U1.5 ; v1(2623.46,3230) 2632.63,3220.83 ccw(c2645.28,3233.5) 2645.28,3215.59 U1.3 ; 2509.41,3164.41 2520.59,3164.41 v1@2520,3165 ; 2509.41,3164.41 2510,3165 v1@2520,3165
RES: J2.5 U3.86 | length 1481.5
  Top Layer w6: U3.86 2856.28,2573.08 2868.72,2573.08 2870,2571.8 2960.2,2571.8 2969.88,2562.12 2969.88,2368.97 2950,2349.09 v1(2950,2325.69)
  Bottom Layer w6: J2.5 2645,1800 3020,1800 3105,1885 3105,2237.31 3057.31,2285 2990.69,2285 v1(2950,2325.69)
RX: J6.4 U3.47 | length 1245.4
  Top Layer w6: J6.4 1727.21,1885 1741.29,1899.08 1741.29,1906.88 1766,1931.59 1766,1966 v1(1815,2015) ; v1(2255.63,2787.8) U3.47
  Bottom Layer w6: v1(1815,2015) 1815,2270 2255.63,2710.63 v1(2255.63,2787.8)
RXD: J3.5 U3.90 | length 745.4
  Top Layer w6: U3.90 2971.49,2650.4 2971.56,2650.33 2971.56,2644.43 v1(2975,2640.98)
  Bottom Layer w6: v1(2975,2640.98) 3249.01,2640.98 3278.49,2670.47 3400.47,2670.47 3420,2690 3420,2765 J3.5
SCK: J11.4 U3.5 | length 556.5
  Top Layer w6: v1(2051.8,2768.2) U3.5
  Bottom Layer w6: J11.4 1716,2790 2030,2790 v1(2051.8,2768.2)
STATE: J3.6 U3.89 | length 766.8
  Top Layer w6: U3.89 2939.92,2630.5 v1(2941,2629.42) ; v1(3313.26,2649.48) 3313.26,2868.26 J3.6
  Bottom Layer w6: v1(2941,2629.42) 2944.1,2629.42 2953.51,2620 3283.78,2620 v1(3313.26,2649.48)
SW0: SW1.2 U3.51 | length 2413.2
  Top Layer w6: U3.51 2559.7,2847.2 2550,2837.5 2550,2296.59 2698,2148.59 2698,1949.06 2644.9,1895.96 2644.9,1830.1 2675,1800 2675,1140 2805,1010 3006.77,1010 3029.63,987.14 3029.63,978.65 3048.29,960 SW1.2
SW1: SW1.4 U3.52 | length 2297.9
  Top Layer w6: U3.52 2570,2827.5 2561,2818.5 2561,2305.28 2709,2157.28 2709,1949.89 2733.85,1925.03 2733.85,1808.85 2690,1765 2690,1170 2800,1060 SW1.4
SW2: SW1.6 U3.54 | length 2218.7
  Top Layer w6: U3.54 2704.41,2787.8 2595.63,2787.8 2572,2764.17 2572,2318.31 2720,2170.31 2720,1963.74 2744.85,1938.89 2744.85,1776.77 2710,1741.92 2710,1185 2800,1095 2905,1095 2970,1160 SW1.6
SW3: SW1.8 U3.97 | length 1967.7
  Top Layer w6: U3.97 2855.2,2787.8 3070,2787.8 3078.77,2779.03 3078.77,2372.96 3225.4,2226.33 3225.4,1843.17 3185,1802.77 3185,1293 3152,1260 SW1.8 3048.29,1260 SW1.8@3029.63,1278.65
SW4: SW1.10 U3.96 | length 1750.4
  Top Layer w6: U3.96 2855.2,2768.2 3056.77,2768.2 3067.77,2757.2 3067.77,2368.41 3210,2226.18 3210,1843.33 3170,1803.33 3170,1473.23 3083.91,1387.14 3083.91,1378.65 3065.26,1360 SW1.10 SW1.10@3048.29,1360
SW5: SW1.12 U3.56 | length 1790.4
  Top Layer w6: U3.56 2755.8,2748.7 v1(2756,2748.5) ; v1(3045,2745) 3049.27,2745 3056.77,2737.5 3056.77,2363.85 3110.46,2310.16 3197,2223.62 3197,1845.89 3152,1800.89 3152,1487 3125,1460 SW1.12
  Bottom Layer w6: v1(2756,2748.5) 3036.63,2748.5 3040.13,2745 v1(3045,2745)
SW6: SW1.14 U3.94 | length 1476.4
  Top Layer w6: U3.94 3031.32,2729 3045.77,2714.55 3045.77,2359.29 3186,2219.07 3186,1850.44 3135,1799.44 3135,1638.23 3083.91,1587.14 3083.91,1578.65 3065.26,1560 SW1.14 SW1.14@3048.29,1560
SW7: SW1.16 U3.93 | length 1332.9
  Top Layer w6: U3.93 3014.63,2709.4 3033.04,2690.98 3033.04,2354.02 3175,2212.07 3175,1855 3056.77,1736.77 SW1.16 SW1.16@3048.29,1660
SWDCLK: J4.3 U3.75 | length 605.9
  Top Layer w6: U3.75 2704.61,2304.71 2842.91,2166.4 2888.6,2166.4 2960,2095 2960,2030 2982.37,2007.63 3047.09,2007.63 J4.3
SWDIO: J4.2 U3.74 | length 563.8
  Top Layer w6: U3.74 2744.85,2394.8 2779.7,2359.95 2850.2,2359.95 2950,2260.15 2950,2139.9 2982.27,2107.63 3047.09,2107.63 J4.2
TX: J6.3 U3.13 | length 1185.8
  Top Layer w6: v1(1790,1915) 1809.04,1895.96 1857.2,1895.96 J6.3 ; v1(2030,2620) 2100,2620 2117.7,2602.3 2136.68,2602.3 2145.18,2610.8 U3.13
  Bottom Layer w6: v1(1790,1915) 1790,2580 1830,2620 v1(2030,2620)
TXD: J3.4 U3.88 | length 740.6
  Top Layer w6: U3.88 2904.13,2611 2910.13,2605 v1(2915,2605) ; J3.4 3415,2670 v1(3415,2575)
  Bottom Layer w6: v1(2915,2605) 3283.26,2605 3313.26,2575 v1(3415,2575)
VCC: C14.1 C16.1 C18.2 C20.2 D5.A J1.2 J2.2 J3.2 J4.1 J5.2 J6.1 J6.2 J11.7 R17.2 U1.4 U2.4 U3.1 U3.23 U3.27 U3.29 U3.31 U3.65 U3.67 U3.82 U3.83 U3.95 | length 7598.8
  Top Layer w12: v1(2010,2940) 2010,2936.3 2099.3,2847 U3.1 2261.44,2847 v1(2280.94,2827.5) ; U3.27 2384.98,2394.6 2397.35,2406.97 2397.35,2423.36 2407.79,2433.8 ; U3.29 2407.79,2433.8 ; U3.31 2391.7,2473.3 2411.4,2453.6 2427.59,2453.6 2407.79,2433.8 ; v1(2595.63,2434.15) v1@2595.63,2523.32 ; U3.67 2604.82,2532.5 2644.12,2571.8 U3.65 ; U3.82 U3.83 2922.8,2512.8 v1(2930,2520)
  Top Layer w20: J6.2 v1(1779.58,1806.26) J6.1
  Top Layer w36: J1.2 1842.04,3410 1862.04,3390 2565,3390 ; v1(2380,1945) 2435.6,1945 2514,2023.4 2514,2044.5 2514.5,2045 R17.2 ; v1@2515,2453.8 v1(2515,2333.44) C16.1 R17.2 ; v1(2535,3365) 2540,3365 2565,3390 ; D5.A R17.2 ; v1(2960,3340) 2910,3390 2565,3390
  Bottom Layer w10: U2.4 v1@2515,2323.79
  Bottom Layer w12: v1(2280.94,2827.5) 2429.32,2679.12 2429.32,2600.91 2514,2516.23 v1(2514,2453.8) ; v1(2600,2532.5) 2612.5,2520 v1(2930,2520)
  Bottom Layer w20: v1(1779.58,1806.26) 1900.84,1685 2120,1685 J2.2 v1(2380,1945) ; C14.1 2515,3326.97 ccw(c2615,3326.97) 2544.29,3256.26 2582.16,3218.39 ccw(c2650.69,3286.92) 2650.69,3190 U1.4 C20.2 ; v1(2930,2520) J3.2
  Bottom Layer w25: v1(2427.79,2453.8) v1(2514,2453.8) 2575.98,2453.8 v1(2595.63,2434.15)
  Bottom Layer w36: J1.2 1760,3485 1700,3485 1666,3451 J11.7 1736,3010 1940,3010 2000.58,2949.42 ; v1(2960,3340) 3075,3340 J5.2 ; v1(3144.44,2186.03) 3272.59,2186.03 3424.43,2337.87 3424.43,2460.57 J3.2
pads on no net: Designator1.0 Designator1_1.0 Designator2_1.0 Designator3.0 J1.5 J1.6 J2.0 J4.5 J4.6 J5.5 J5.6 U2.5 U2.6 U2.7 U2.8 U2.9 U2.10 U2.12 U2.13 U2.14 U3. U3.0 U3.6 U3.11 U3.15 U3.41 U3.50 U3.99 U3.100

## Polygon pours and split planes (outlines as drawn)
GND on Bottom Layer "Bottom Layer-GND" (solid, pour order 0): 1390,3755 1405,3740 3690,3740 3690,595 3655,560 3625,590 1470,590
GND on Top Layer "Top Layer-GND" (solid, pour order 2): 1440,3790 3810,3790 3850,3750 3615,3515 3615,480 1645,480 1415,710

## Silkscreen, mask and mechanical layers (free items; w line width, h text height)
Top Overlay:
  text "GND" at 1842.04,2925.06 h31.5
  text "GND" at 1624.72,2524.54 h31.5
  text "+" at 1686.89,2265 h31.5
  text "-" at 1725.63,1998.94 h31.5
  text "VCC" at 1741.1,1730 h31.5
Bottom Overlay:
  text "GND" at 3305,2605 h31.5
  text "VCC" at 3305,2505 h31.5
Mechanical 1:
  lines w10: 1604.87,904.61 ccw(c1684.61,904.61) 1689.21,825 ; 1605,904.47 1605,3615 3450,3615 3450,909.21 cw(c3370.39,904.61) 3370.39,824.87 ; 1684.47,825 1735,825 ; 3365.79,825 1735,825 ; 1735,825 1735,825

## Text inside footprints (layer, text, board x,y; h text height)
J1: Top Overlay "2" at 1810,3531 h60 r270; Top Overlay "1" at 1706,3520 h60 r270
J2: Top Overlay "GND" at 2140,1780 h50; Top Overlay "VCC" at 2240,1780 h50; Top Overlay "D0" at 2365,1780 h50; Top Overlay "D1" at 2465,1780 h50; Top Overlay "RES" at 2540,1780 h50; Top Overlay "DC" at 2665,1780 h50; Top Overlay "CS" at 2765,1780 h50
J5: Top Overlay "2" at 3230,3089 h60 r90; Top Overlay "1" at 3334,3100 h60 r90
SW1: Top Overlay "ON" at 3170.94,975.35 h40 r90; Top Overlay "8" at 3328.43,1646.5 h40 r90; Top Overlay "7" at 3328.43,1546.5 h40 r90; Top Overlay "6" at 3328.43,1446.5 h40 r90; Top Overlay "5" at 3328.43,1346.5 h40 r90; Top Overlay "4" at 3328.43,1246.5 h40 r90; Top Overlay "3" at 3328.43,1146.5 h40 r90; Top Overlay "2" at 3328.43,1046.5 h40 r90; Top Overlay "1" at 3328.43,953.5 h40 r90